# Allegro board 1077192-MCU-Link-revPA6_pcb.brd
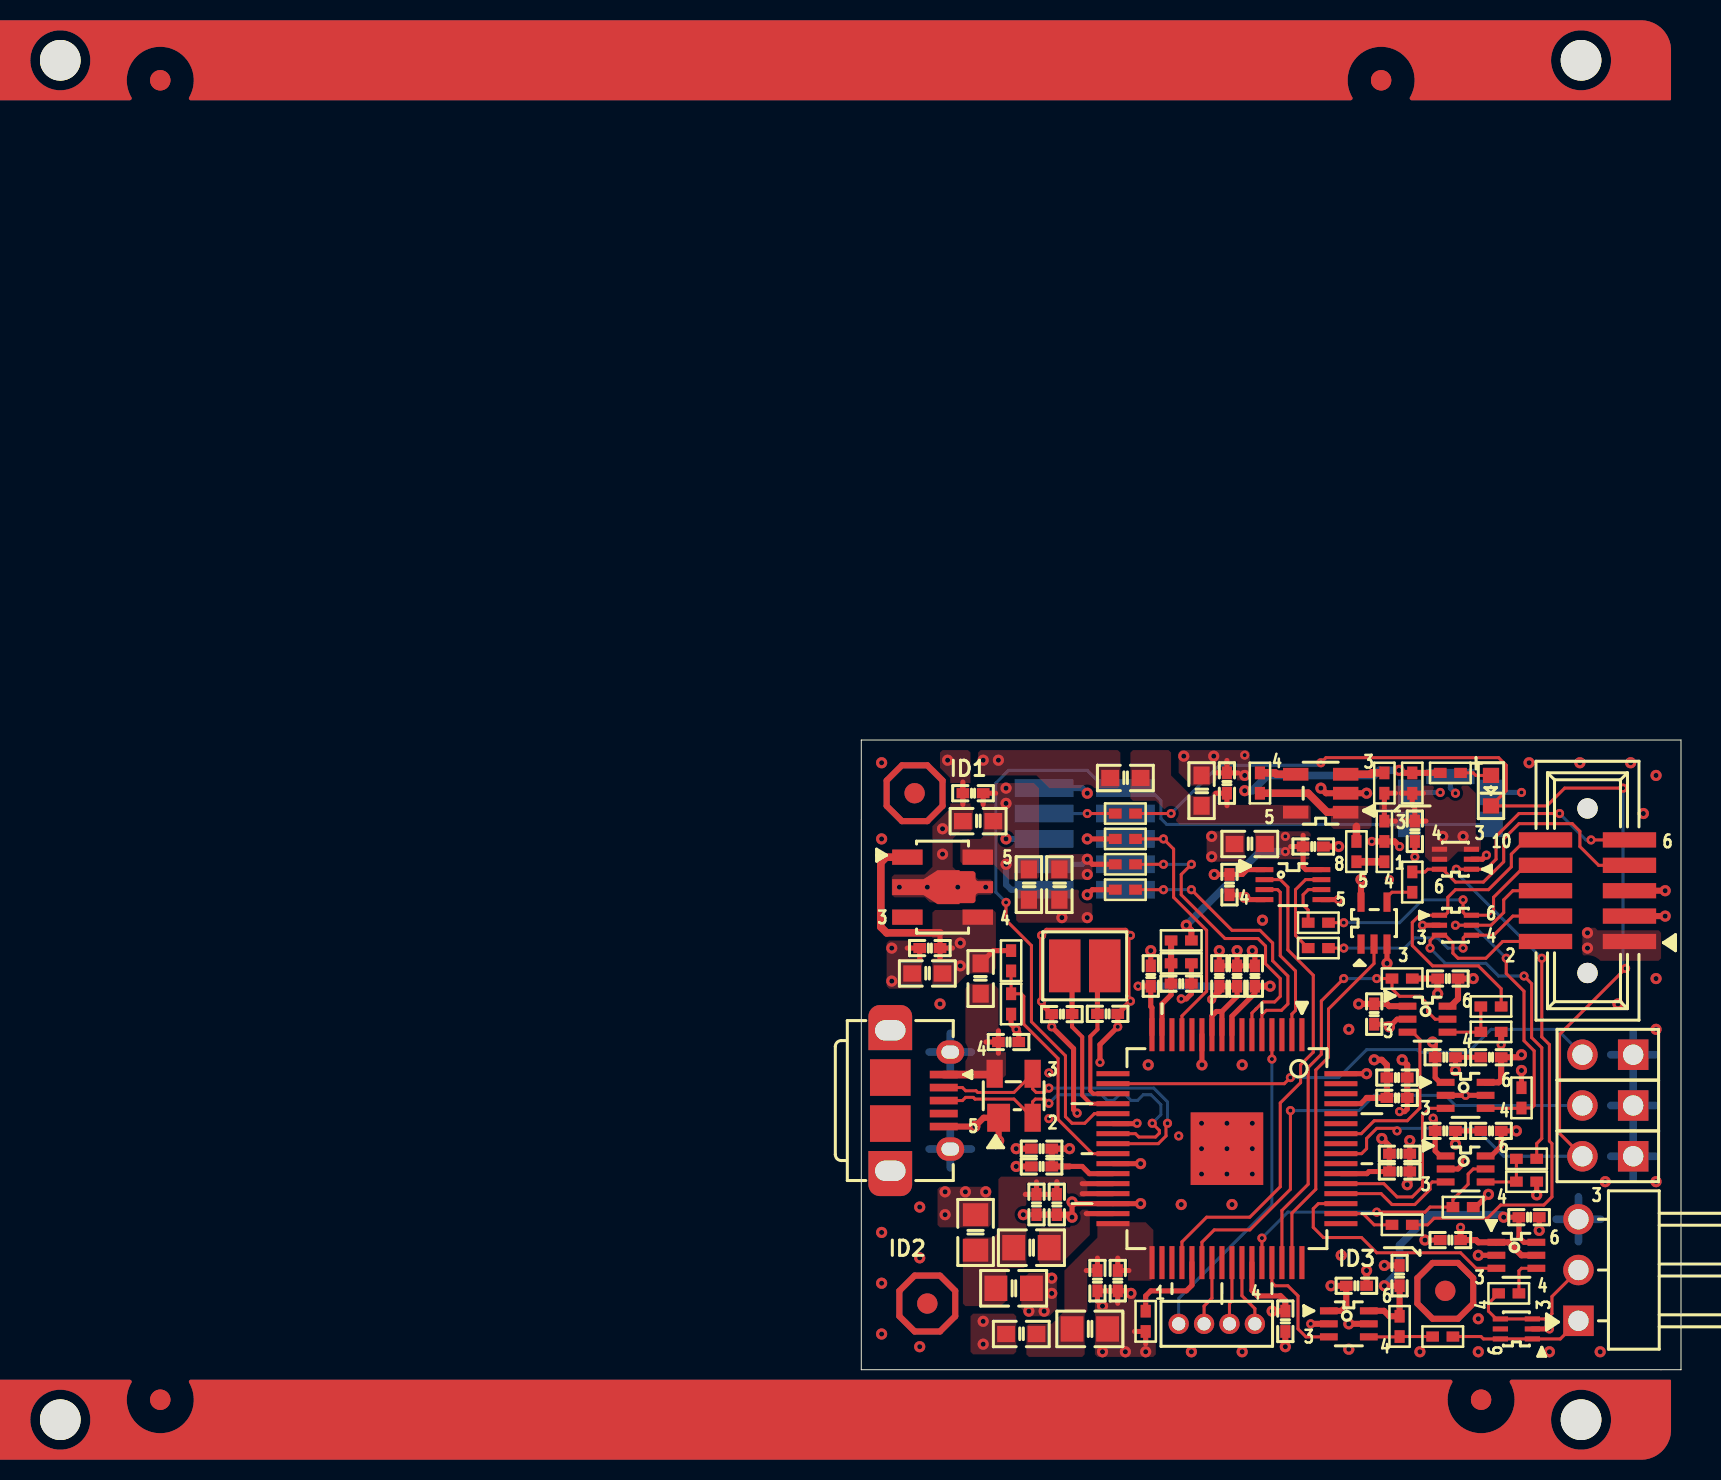
[diagram p0: board, top side]
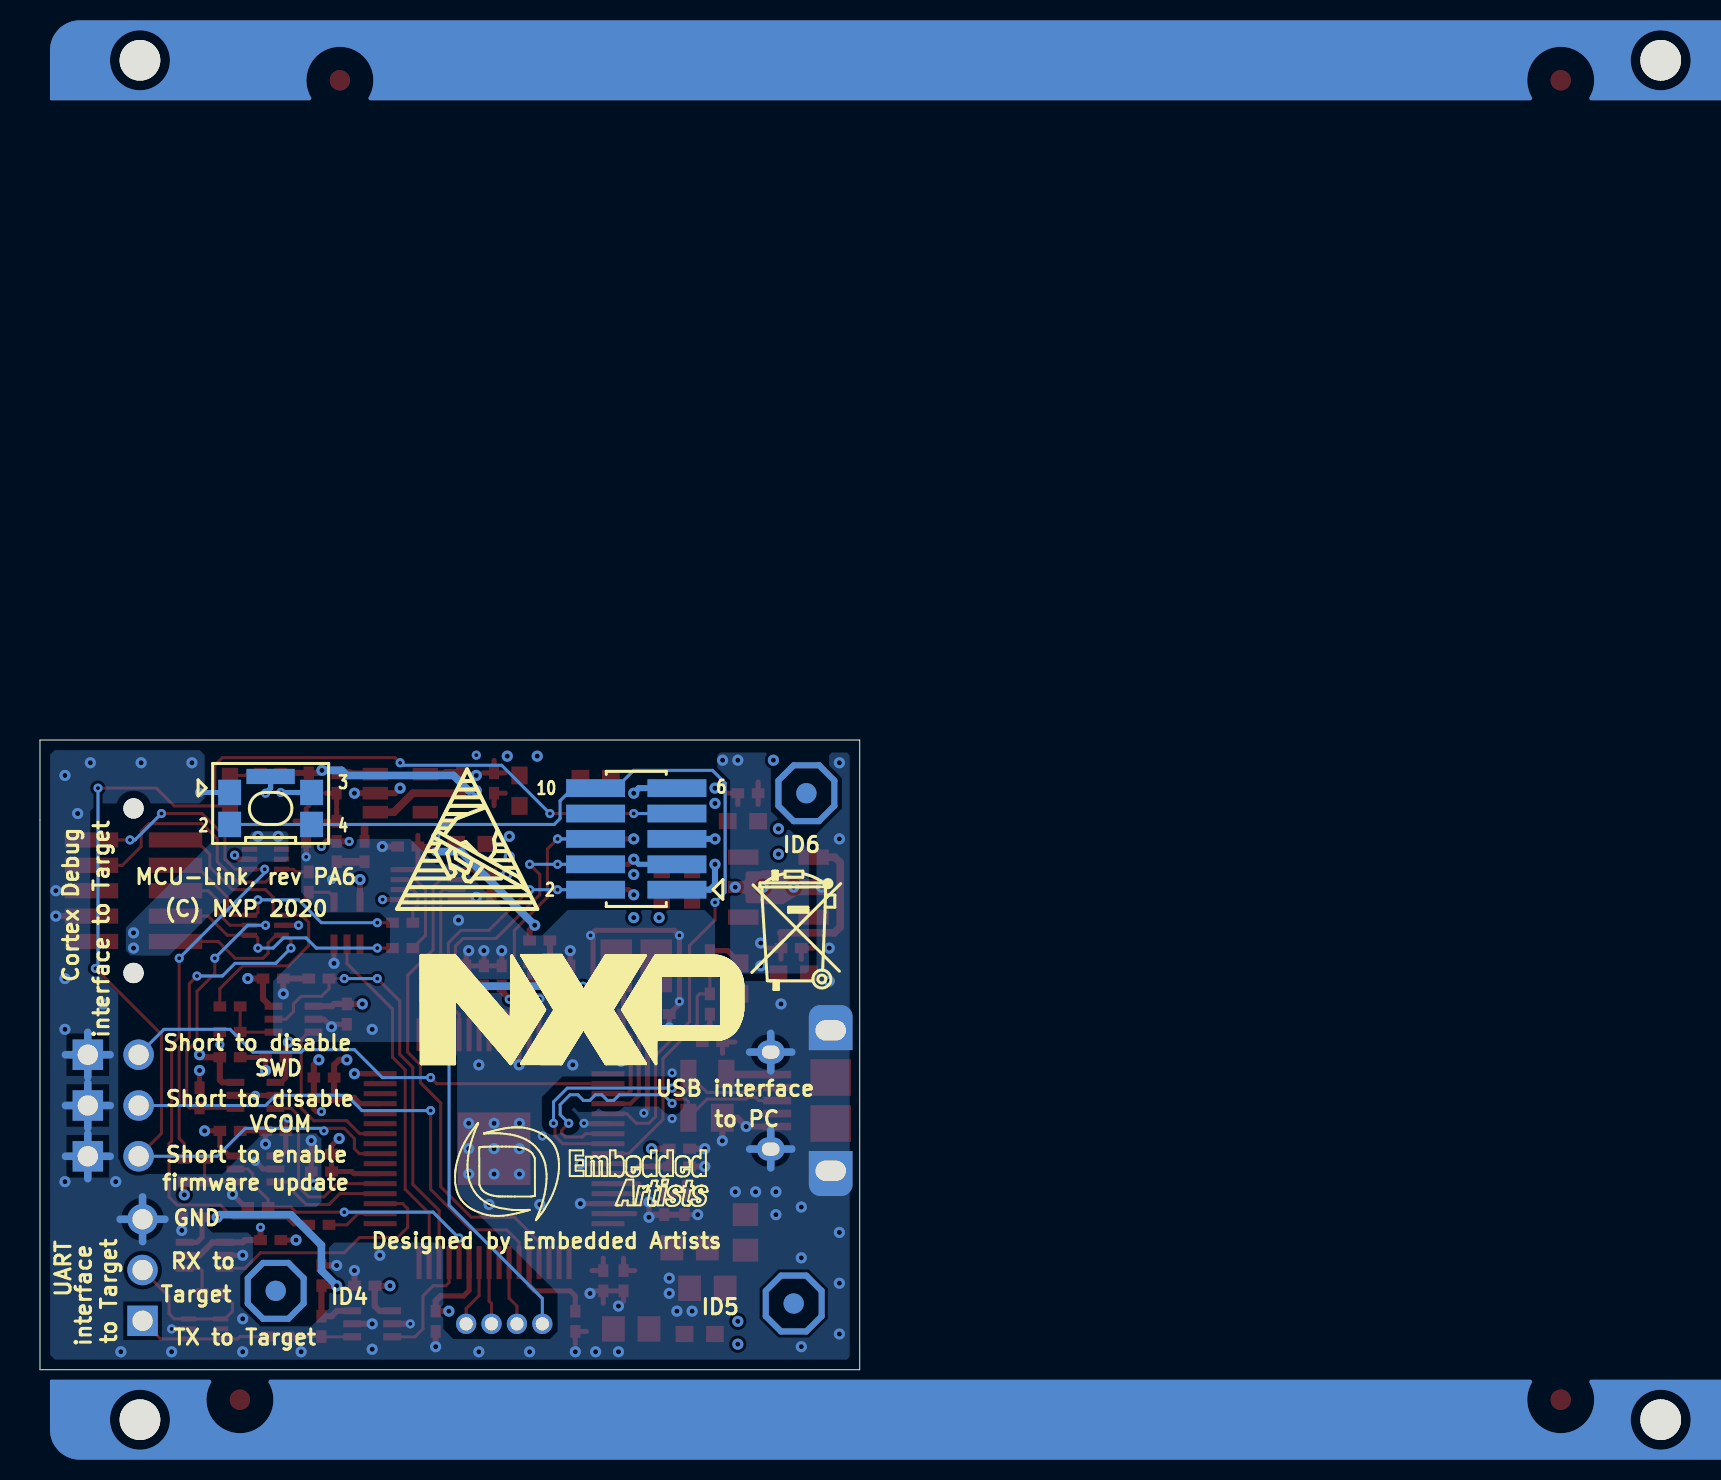
[diagram p1: board, bottom side, seen from below]

Outline 41 x 31.5 mm; copper layers: TOP, GND02, POWER03, BOTTOM. Coordinates in mm from the lower left corner of the outline.
Outline path: 0,31.5 41,31.5 41,0 0,0 0,31.5

## Design rules (mm)
net group DIFFPAIR0: nets USB_DM USB_DP

## Placement (name value [footprint] x y rotation side)
C1  4U7  [C0603]  9.91 24.27 90 top
C2  100N  [C0402]  21.21 2.42 270 top
C3  100N  [C0402]  9.02 10.17 180 top
C4  100N  [C0402]  26.8 13.6 0 top
C5  100N  [C0402]  14.48 19.69 90 top
C6  100N  [C0402]  26.92 9.91 0 top
C7  10N  [C0402]  26.8 14.61 0 top
C8  10N  [C0402]  9.02 11.06 180 top
C9  10N  [C0402]  26.92 10.8 0 top
C10  10N  [C0402]  19.68 19.69 90 top
C11  8P  [C0402]  12.32 17.8 0 top
C12  8P  [C0402]  10.03 17.79 180 top
C13  100N  [C0402]  17.91 19.69 90 top
C14  47P  [C0402]  18.8 19.69 90 top
C15  22U  [C0805]  5.71 6.87 90 top
C16  47P  [C0402]  8.76 8.26 270 top
C17  100N  [C0402]  9.78 8.26 270 top
C18  UL-22U  [C0805]  7.62 4.07 0 top
C19  22U  [C0805]  11.43 2.04 0 top
C20  100N  [C0402]  12.83 4.45 270 top
C21  47P  [C0402]  11.81 4.45 270 top
C22  10U  [C0603]  3.3 19.82 180 top
C23  100N  [C0402]  3.43 21.09 180 top
C24  100N  [C0402]  5.59 28.84 180 top
C25  10U  [C0603]  5.84 27.44 180 top
C26  10N  [C0402]  7.37 16.39 0 top
C27  100N  [C0402]  18.41 24.27 270 top
C28  100N  [C0402]  22.61 26.17 0 top
C29  10U  [C0603]  19.43 26.3 180 top
C30  100N  [C0402]  29.21 11.95 0 top
C31  100N  [C0402]  31.5 11.95 180 top
C32  100N  [C0402]  18.29 29.35 90 top
C33  10U  [C0603]  17.02 28.96 90 top
C34  100N  [C0402]  27.69 26.93 270 top
C35  100N  [C0402]  29.21 15.63 0 top
C36  100N  [C0402]  31.5 15.63 180 top
C37  100N  [C0402]  25.65 17.79 270 top
C38  100N  [C0402]  29.34 19.57 180 top
C39  100N  [C0402]  16 19.31 0 top
C40  100N  [C0402]  24.77 4.2 0 top
C41  100N  [C0402]  26.92 4.71 90 top
C42  100N  [C0402]  29.46 6.49 180 top
C43  100N  [C0402]  33.4 7.63 0 top
D1  PRTR5V0U2X  [SOT143]  7.62 13.71 0 top
D2  PESD5V0L5UV  [SOT563]  29.72 22.23 270 top
D3  PESD5V0L5UV  [SOT563]  29.72 25.54 90 top
D4  PESD5V0L5UV  [SOT563]  32.77 2.04 90 top
J1  USB micro-B, ZX62D-B-5P8(30)  [UX60-MB-5ST]  4.12 13.46 270 top
J2  2X5, 50mil  [EHF-105-01-L-D]  11.18 26.55 0 bottom
J3  1x2pos, 100 mil pitch  [1X02]  37.34 10.68 180 top
J4  1x2pos, 100 mil pitch  [1X02]  37.34 13.22 180 top
J5  1x2pos, 100 mil pitch  [1X02]  37.34 15.76 180 top
J6  2X5, 50mil  [2X05-50MIL]  36.32 23.96 90 top
J7  1x3pos, 100 mil pitch  [MA03-1]  39.37 4.99 90 top
J8  -  [MA04-1]  17.78 2.29 0 top
L1  MI0603J601R-10  [C0603]  8.38 24.27 90 top
L2  4U7  [C0805]  8.51 6.1 0 top
L3  MI0603J601R-10  [C0603]  8 1.79 180 top
L4  MI0603J601R-10  [C0603]  5.97 19.57 270 top
L5  MI0603J601R-10  [C0603]  13.21 29.6 180 top
LED1  RED  [CHIP-LED0603]  31.5 28.96 270 top
NOREF  -  [unnamed]  3.3 3.31 0 top
NOREF#2  -  [#2]  39 -5 90 top
NOREF#3  -  [#2]  13.34 -34.79 0 top
NOREF#4  -  [#2]  41 31.5 0 top
NOREF#5  -  [unnamed]  29.21 3.95 0 top
NOREF#6  -  [#2]  41 0 0 top
NOREF#7  -  [#2]  158.27 151.39 0 top
NOREF#8  -  [#2]  -45.06 66 0 top
NOREF#9  -  [unnamed#3]  -45.06 63 0 top
NOREF#10  -  [#2]  181.1 87.89 0 top
NOREF#11  -  [unnamed#4]  41 0 0 top
NOREF#12  -  [#2]  181.1 20.58 0 top
NOREF#13  -  [#2]  165.86 18.3 0 top
NOREF#14  -  [#2]  0 31.5 0 top
NOREF#15  -  [unnamed#5]  41 63 0 top
NOREF#16  -  [unnamed]  2.67 28.84 0 top
NOREF#17  -  [#2]  41 63 0 top
NOREF#18  -  [#2]  41 0 90 top
NOREF#19  -  [#2]  -119.89 -70.86 0 top
NOREF#20  -  [unnamed#6]  -45.06 0 0 top
NOREF#21  -  [unnamed]  2.67 28.84 180 bottom
NOREF#22  -  [#2]  0.64 22.09 180 bottom
NOREF#23  -  [unnamed]  3.3 3.31 180 bottom
NOREF#24  -  [#2]  20.32 26.04 180 bottom
NOREF#25  -  [unnamed]  29.21 3.95 180 bottom
R1  10K  [R0402]  7.49 20.46 270 top
R2  20K  [R0402]  7.49 18.3 90 top
R3  0R  [R0402]  14.22 2.42 270 top
R4  100K  [R0402]  13.21 26.55 180 top
R5  100K  [R0402]  13.21 24.01 180 top
R6  100K  [R0402]  13.21 25.28 0 top
R7  0R  [R0402]  13.21 27.82 180 top
R8  2K  [R0402]  29.46 29.85 180 top
R9  10R  [R0402]  22.86 21.09 0 top
R10  10R  [R0402]  22.86 22.36 0 top
R11  10R  [R0402]  33.27 10.55 0 top
R12  100K  [R0402]  33.27 9.41 180 top
R13  2K  [R0402]  30.1 8.14 180 top
R14  100K  [R0402]  33.02 13.6 270 top
R15  100R  [R0402]  26.16 29.35 270 top
R16  33K  [R0402]  27.56 29.35 90 top
R17  10R  [R0402]  24.77 25.92 90 top
R18  100R  [R0402]  19.94 29.35 270 top
R19  10R  [R0402]  31.5 18.17 0 top
R20  100K  [R0402]  31.5 16.9 180 top
R21  2K  [R0402]  27.05 19.57 180 top
R22  2K  [R0402]  16 21.47 0 top
R23  2K  [R0402]  16 20.33 180 top
R24  2K  [R0402]  27.05 7.25 0 top
R25  10R  [R0402]  27.56 24.39 90 top
R26  10R  [R0402]  29.08 1.66 0 top
R27  10R  [R0402]  32.38 3.82 180 top
R28  100K  [R0402]  26.92 2.17 90 top
SJ1  0R  [SJ_2]  26.16 26.42 90 top
SW1  -  [KMR221GLFS]  29.46 28.08 0 bottom
U1  LPC55S69JBD64  [LQFP64-PAD_NOTOK]  18.29 11.06 180 top
U2  XC6227C331PR-G  [SOT89-5]  4.06 24.14 270 top
U3  74LVC2T45DC  [VSSOP08]  21.59 24.27 270 top
U4  74LVC1T45GW  [SOT363_PHILIPS]  30.23 10.04 270 top
U5  74LVC1T45GW  [SOT363_PHILIPS]  30.23 13.72 270 top
U6  MCP6001T-I/OT  [SOT23-5]  22.98 28.84 90 top
U7  74LVC1T45GW  [SOT363_PHILIPS]  28.32 17.53 270 top
U8  74LVC1G07GW  [SC70-5]  25.64 22.34 0 top
U9  74LVC1T45GW  [SOT363_PHILIPS]  24.38 2.29 270 top
U10  74LVC1T45GW  [SOT363_PHILIPS]  32.77 5.72 270 top
Y1  16.000MHz  [7M-CRYSTAL]  11.18 20.2 180 top

## Library data of the parts
C1 C22 C25 C29 C33 L1 L3-L5 = C0603
C2-C14 C16 C17 C20 C21 C23 C24 C26-C28 C30-C32 C34-C43 = C0402
C15 C18 C19 L2 = C0805
D1 = SOT143
D2-D4 = SOT563
J1 = UX60-MB-5ST
J2 = EHF-105-01-L-D
J3-J5 = 1X02
J6 = 2X05-50MIL
J7 = MA03-1
J8 = MA04-1
LED1 = CHIP-LED0603
R1-R28 = R0402
SJ1 = SJ_2
SW1 = KMR221GLFS
U1 = LQFP64-PAD_NOTOK
U2 = SOT89-5
U3 = VSSOP08
U4 U5 U7 U9 U10 = SOT363_PHILIPS
U6 = SOT23-5
U8 = SC70-5
Y1 = 7M-CRYSTAL

## Footprints (pads in the part's own frame, mm; a bottom-side part is the same pattern mirrored in y, then rotated)
1X02
  rect 1.524x1.524 hole 1.016: 1(-1.27,0)
  round 1.524 hole 1.016: 2(1.27,0)
2X05-50MIL
  round 1.016 hole 1.016 unplated: (-4.115,0) (4.115,0)
  rect 0.762x2.667 smd: 1(-2.54,-2.1) 2(-2.54,2.1) 3(-1.27,-2.1) 4(-1.27,2.1) 5(0,-2.1) 6(0,2.1) 7(1.27,-2.1) 8(1.27,2.1) 9(2.54,-2.1) 10(2.54,2.1)
7M-CRYSTAL
  rect 1.575x2.642 smd: 1(-1,0) 3(1,0)
C0402
  rect 0.635x0.508 smd: 1(-0.508,0) 2(0.508,0)
C0603
  rect 0.889x0.813 smd: 1(-0.762,0) 2(0.762,0)
C0805
  rect 1.143x1.27 smd: 1(-0.889,0) 2(0.889,0)
CHIP-LED0603
  rect 0.762x0.813 smd: A(-0.762,0) C(0.762,0)
EHF-105-01-L-D
  rect 2.946x0.889 smd: 1(-2.035,2.54) 2(2.035,2.54) 3(-2.035,1.27) 4(2.035,1.27) 5(-2.035,0) 6(2.035,0) 7(-2.035,-1.27) 8(2.035,-1.27) 9(-2.035,-2.54) 10(2.035,-2.54)
KMR221GLFS
  rect 1.143x1.27 smd: 1(2.05,-0.8) 2(2.05,0.8) 3(-2.05,-0.8) 4(-2.05,0.8)
  rect 2.413x0.762 smd: 5(0,-1.6)
LQFP64-PAD_NOTOK
  rect 0.254x1.651 smd: 1(-3.75,-5.7) 2(-3.25,-5.7) 3(-2.75,-5.7) 4(-2.25,-5.7) 5(-1.75,-5.7) 6(-1.25,-5.7) 7(-0.75,-5.7) 8(-0.25,-5.7) 9(0.25,-5.7) 10(0.75,-5.7) 11(1.25,-5.7) 12(1.75,-5.7) 13(2.25,-5.7) 14(2.75,-5.7) 15(3.25,-5.7) 16(3.75,-5.7) 33(3.75,5.7) 34(3.25,5.7) 35(2.75,5.7) 36(2.25,5.7) 37(1.75,5.7) 38(1.25,5.7) 39(0.75,5.7) 40(0.25,5.7) 41(-0.25,5.7) 42(-0.75,5.7) 43(-1.25,5.7) 44(-1.75,5.7) 45(-2.25,5.7) 46(-2.75,5.7) 47(-3.25,5.7) 48(-3.75,5.7)
  rect 1.651x0.254 smd: 17(5.7,-3.75) 18(5.7,-3.25) 19(5.7,-2.75) 20(5.7,-2.25) 21(5.7,-1.75) 22(5.7,-1.25) 23(5.7,-0.75) 24(5.7,-0.25) 25(5.7,0.25) 26(5.7,0.75) 27(5.7,1.25) 28(5.7,1.75) 29(5.7,2.25) 30(5.7,2.75) 31(5.7,3.25) 32(5.7,3.75) 49(-5.7,3.75) 50(-5.7,3.25) 51(-5.7,2.75) 52(-5.7,2.25) 53(-5.7,1.75) 54(-5.7,1.25) 55(-5.7,0.75) 56(-5.7,0.25) 57(-5.7,-0.25) 58(-5.7,-0.75) 59(-5.7,-1.25) 60(-5.7,-1.75) 61(-5.7,-2.25) 62(-5.7,-2.75) 63(-5.7,-3.25) 64(-5.7,-3.75)
  rect 3.632x3.632 smd: 65(0,0)
MA03-1
  rect 1.524x1.524 hole 1.016: 1(-2.54,3.5)
  round 1.524 hole 1.016: 2(0,3.5) 3(2.54,3.5)
MA04-1
  round 1.016 hole 0.66: 1(-1.905,0) 2(-0.635,0) 3(0.635,0) 4(1.905,0)
R0402
  rect 0.635x0.508 smd: 1(-0.508,0) 2(0.508,0)
SC70-5
  rect 0.356x0.965 smd: 1(-0.65,-1.05) 2(0,-1.05) 3(0.65,-1.05) 4(0.65,1.05) 5(-0.65,1.05)
SJ_2
  rect 0.635x0.508 smd: 1(-1.016,0) 2(0,0) 3(1.016,0)
SOT23-5
  rect 0.635x1.27 smd: 1(-0.95,-1.25) 2(0,-1.25) 3(0.95,-1.25) 4(0.95,1.25) 5(-0.95,1.25)
SOT89-5
  rect 0.762x1.524 smd: 1(-1.5,-1.76) 3(1.5,-1.76) 4(1.5,1.76) 5(-1.5,1.76)
  custom 1.7x5.044 smd: 2(0,0)
SOT143
  rect 1.143x1.397 smd: 1(-0.75,-1.1)
  rect 0.813x1.397 smd: 2(0.95,-1.1) 3(0.95,1.1) 4(-0.95,1.1)
SOT363_PHILIPS
  rect 0.356x0.889 smd: 1(-0.65,-1) 2(0,-1) 3(0.65,-1) 4(0.65,1) 5(0,1) 6(-0.65,1)
SOT563
  rect 0.254x0.762 smd: 1(-0.5,-0.8) 2(0,-0.8) 3(0.5,-0.8) 4(0.5,0.8) 5(0,0.8) 6(-0.5,0.8)
unnamed
  round 1.016 smd: 1(0,0)
unnamed#3
  round 2.032 hole 2.032 unplated: (5,2.5)
  round 1.016 smd: (10,1.5) (10,1.5)
unnamed#4
  round 1.016 smd: (-10,-1.5) (-10,-1.5)
  round 2.032 hole 2.032 unplated: (-5,-2.5)
unnamed#5
  round 1.016 smd: (-15,1.5) (-15,1.5)
  round 2.032 hole 2.032 unplated: (-5,2.5)
unnamed#6
  round 2.032 hole 2.032 unplated: (5,-2.5)
  round 1.016 smd: (10,-1.5) (10,-1.5)
UX60-MB-5ST
  rect 0.381x1.397 smd: 1(-1.3,0) 2(-0.65,0) 3(0,0) 4(0.65,0) 5(1.3,0)
  rect 1.829x2.032 smd: 10(-1.15,-2.675) 11(1.15,-2.675)
  oval 1.168x1.397 hole 0.66x0.889: M1(-2.425,0.325) M2(2.425,0.325)
  oval 1.524x2.032 hole 1.016x1.524: M3(-3.513,-2.675) M4(3.513,-2.675)
VSSOP08
  rect 0.254x0.889 smd: 1(-0.75,-1.425) 2(-0.25,-1.425) 3(0.25,-1.425) 4(0.75,-1.425) 5(0.75,1.425) 6(0.25,1.425) 7(-0.25,1.425) 8(-0.75,1.425)

## Nets
3V3: C13.1 C14.1 C24.1 C25.1 C27.1 C30.1 C35.1 C37.1 C40.1 C42.1 J2.1 L1.2 L3.2 R4.2 R5.2 R8.2 R16.2 U1.9 U1.10 U2.5 U3.1 U3.5 U4.1 U5.1 U7.1 U9.1 U10.1 U10.5
5V: C22.1 C23.1 L4.1 L5.2 R1.1 U2.1 U2.4
GND: C1.2 C2.2 C3.2 C4.2 C5.2 C6.2 C7.2 C8.2 C9.2 C10.2 C11.2 C12.2 C13.2 C14.2 C15.2 C16.2 C17.2 C18.2 C19.2 C20.2 C21.2 C22.2 C23.2 C24.2 C25.2 C26.2 C27.2 C28.2 C29.2 C30.2 C31.2 C32.2 C33.2 C34.2 C35.2 C36.2 C37.2 C38.2 C39.2 C40.2 C41.2 C42.2 C43.2 D1.1 D2.2 D3.2 D4.2 J1.5 J1.M1 J1.M2 J1.M3 J1.M4 J2.3 J2.5 J2.9 J3.1 J4.1 J5.1 J6.3 J6.5 J7.3 R2.1 R3.2 R6.1 R13.1 R21.1 R23.1 SW1.1 SW1.3 SW1.5 U1.11 U1.22 U1.26 U1.30 U1.64 U1.65 U2.2 U3.4 U4.2 U5.2 U5.5 U6.2 U7.2 U8.3 U9.2 U9.5 U10.2
DBGIF_DETECT: R24.1 U1.50
DBGIF_ISP_CTRL: U1.47 U8.2
DBGIF_RESET: U1.58 U7.3
DBGIF_RESET_TXEN: R21.2 U1.46 U7.5
DBGIF_TCK_SWCLK: U1.36 U3.2
DBGIF_TDI: U1.2 U3.3
DBGIF_TDO_SWO: U1.53 U5.3
DBGIF_TMS_SWDIO: U1.52 U4.3
DBGIF_TMS_SWDIO_TXEN: R13.2 U1.44 U4.5
DBGIF_VREF: C39.1 R22.1 R23.2 U1.15
FC0_TARGET_RXD: U1.45 U9.3
FC0_TARGET_TXD: U1.51 U10.3
HW_VER_6: J4.2 U1.38
HW_VER_7: J5.2 U1.18
IF_DETECT: D3.1 J6.9 R24.2
IF_ISPEN: D3.6 J6.7 R25.2
IF_RST: D2.1 J6.10 R19.2
IF_SWCLK: D2.4 J6.4 R9.2
IF_SWDIO: D2.3 J6.2 R11.2
IF_SWO: D2.5 J6.6 R14.2 U5.4
IF_TDI: D2.6 J6.8 R10.2
IF_VREF: C28.1 C29.1 C31.1 C36.1 C38.1 C41.1 C43.1 R12.1 R14.1 R20.1 R22.2 R28.2 SJ1.2 U3.8 U4.6 U5.6 U7.6 U8.5 U9.6 U10.6
LPC_RST: J2.10 SW1.2 SW1.4 U1.21
MCU_VDDIO: C1.1 C2.1 C3.1 C4.1 C5.1 C6.1 C7.1 C8.1 C9.1 C10.1 L1.1 U1.8 U1.16 U1.27 U1.43 U1.54 U1.61
N$1: J8.1 U1.4
N$2: J8.2 U1.39
N$3: R25.1 U8.4
N$4: D4.1 D4.6 J7.1 R26.2
N$5: C15.1 C16.1 C17.1 C18.1 L2.1 U1.28 U1.29
N$6: D4.3 D4.4 J7.2 R27.2
N$7: R26.1 R28.1 U9.4
N$8: J8.3 U1.41
N$9: R27.1 U10.4
N$10: J8.4 U1.42
N$12: J2.7 R7.2
N$23: R3.1 U1.37
N$25: L2.2 U1.31
N$26: R15.1 U6.3
N$27: R17.2 R18.2 U6.1
N$29: C11.1 U1.19 Y1.1
N$31: LED1.A R8.1
N$32: C12.1 U1.20 Y1.3
N$34: C19.1 C20.1 C21.1 L3.1 U1.32 U1.33
N$40: R1.2 R2.2 U1.25
N$43: R18.1 U6.4
N$46: R17.1 SJ1.1
N$51: C32.1 C33.1 L5.1 U6.5
N$54: R9.1 U3.7
N$55: R10.1 U3.6
N$56: R11.1 R12.2 U4.4
N$57: R19.1 R20.2 U7.4
PIO0_5-ISP_EN-LED1_CTRL: J3.2 LED1.C R7.1 U1.56
PIO0_10-SWO: J2.6 R4.1 U1.13
PIO0_11-SWDCLK: J2.4 R6.2 U1.6
PIO0_12-SWDIO: J2.2 R5.1 U1.5
USB_DM: D1.3 J1.2 U1.24
USB_DP: D1.2 J1.3 U1.23
USB_VBUS: C26.1 D1.4 J1.1 L4.2
VTARGET: C34.1 D3.3 D3.4 D3.5 J6.1 R15.2 R16.1 SJ1.3

Pads without a net: D4 5; J1 4 10 11; J2 8; NOREF 1; NOREF#5 1; NOREF#16 1; NOREF#21 1; NOREF#23 1; NOREF#25 1; U1 1 3 7 12 14 17 34 35 40 48 49 55 57 59 60 62 63; U2 3; U8 1

## Via types
v1: diameter 0.457, hole 0.203, TOP to BOTTOM, 72 vias
v2: diameter 0.559, hole 0.254, TOP to BOTTOM, 148 vias

## Routing (per net, layer and track width the routed paths; a pad name or vN(x,y) marks a point on that pad's centre or on a via; arc(x,y) is an arc through that point)
3V3: length 41.5
  TOP w0.254: v2(11.3,23.76) 11.56,24.01 R5.2 ; 18.04,17.92 U1.9 ; 18.04,17.92 17.76,17.92 17.54,17.7 U1.10 ; 18.04,17.92 18.8,18.68 C14.1 ; v1(28.6,12.58) 28.7,12.48 C30.1 28.7,10.95 28.96,10.69 U4.1 ; 6.1,28.28 C24.1 6.72,28.84 ; R4.2 v2(11.3,26.55) ; U5.1 28.94,14.38 28.7,14.61 C35.1 28.7,16.26 v2(28.57,16.39) ; U3.1 19.3,25.02 19.06,24.77 C27.1 v2(17.65,24.77) ; U3.5 v1(23.86,23.52)
  TOP w0.305: v2(23.5,4.2) C40.1 24.26,3.18 24.02,2.95 U9.1 ; U7.1 26.4,18.19 26.29,18.3 C37.1 v2(24.88,18.3) ; C14.1 C13.1 17.91,18.93 17.53,18.55 v1(17.53,18.53) ; U10.5 33.02,5.72 32.37,6.37 U10.1 30.86,6.37 30.75,6.49 C42.1 v1(29.97,7.12) ; R8.2 R16.2 27.03,29.85 v2(26.9,29.98)
  BOTTOM w0.305: v2(7.24,25.28) 7.24,24.27 7.49,24.01 J2.1
  BOTTOM w0.381: v2(26.9,29.98) 25.91,29.98 25.65,29.73 20.32,29.73 19.56,28.96 v2(19.18,28.96)
  vias: v2(6.1,2.42) v2(6.1,1.28) v2(7.24,29.09) v2(7.24,28.33)
5V: length 11.3
  TOP w0.254: R1.1 6.6,20.96 L4.1 ; C23.1 3.94,21.65 ; C23.1 4.56,21.09 ; C23.1 3.94,20.53
  TOP w0.381: 3.94,21.85 1.27,21.85 0.98,22.15 0.98,25.37 1.25,25.64 U2.1
  vias: v2(4.95,21.34) v2(4.95,20.2) v2(6.1,30.49) v2(6.86,30.49)
GND: length 156.4
  TOP w0.254: v2(31.37,8.77) 30.73,8.14 R13.1 ; C14.2 C10.2 19.68,20.89 19.61,20.96 v2(19.56,20.96) ; C14.2 v2(18.8,20.96) ; C14.2 C13.2 v2(17.91,20.96) ; C32.2 18.29,30.48 ; C32.2 17.73,29.85 ; C32.2 18.85,29.85 ; C42.2 v2(28.19,6.49) ; v1(11.94,15.38) 11.94,16.26 v1(12.83,17.15) C11.2 v1(13.46,18.44) 13.34,18.56 13.34,21.6 v1(13.46,21.73) 13.21,21.98 9.27,21.98 v1(9.02,21.73) v1(9.02,18.42) 9.02,18.3 C12.2 v1(9.53,17.15) 10.62,16.06 10.62,13.01 v1(10.79,12.84) ; U1.11 v2(17.04,15.25) ; v1(26.92,12.91) 27.18,12.91 27.3,13.04 C4.2 ; v1(16,18.55) 16.26,18.55 16.51,18.8 C39.2 R23.1 ; 5.08,28.28 C24.2 5.08,29.4 ; 13.67,1.91 R3.2 14.22,1.29 ; 12.83,3.32 C20.2 ; C20.2 13.39,3.95 ; C20.2 C21.2 11.81,3.44 v2(12.06,3.18) ; U4.2 29.84,10.04 v1(30.23,10.42) ; U8.3 v2(26.29,20.33) ; v2(10.54,7.63) v2(10.54,8.39) 10.62,8.31 U1.30 v2(13.97,8.31) ; R2.1 7.49,17.28 v1(7.75,17.03) 7.87,16.9 C26.2 ; D3.2 31.06,25.54 v1(31.27,25.74) ; U10.2 v2(30.86,5.72) ; v2(27.43,11.46) C9.2 C6.2 27.43,9.41 27.3,9.28 v2(27.3,9.25) ; C34.2 v1(27.69,25.65) ; v2(29.72,14.97) C35.2 C36.2 ; U5.5 v1(30.23,13.72) U5.2 ; C27.2 19.05,23.76 ; 19.05,23.76 v2(19.18,23.63) ; 19.05,23.76 19.06,23.76 19.3,23.52 U3.4 ; 2.92,20.53 C23.2 2.3,21.09 ; C31.2 C30.2 v2(29.72,11.29) ; D2.2 v1(28.07,22.23) ; v1(13.79,12.33) 13.77,12.31 U1.22 ; 33.91,7.63 v2(33.91,6.97) ; C16.2 v2(8.1,7.76) ; v2(14.48,20.96) C5.2 ; U7.2 26.8,17.53 v2(26.42,17.15) 26.29,17.28 C37.2 ; D4.2 v1(34.42,2.04) ; U1.64 v2(25.27,14.81) ; v2(11.3,25.54) 11.56,25.28 R6.1 ; U1.26 v2(13.97,10.31)
  TOP w0.305: U9.2 v1(22.48,2.29) ; C16.2 C17.2 10.41,7.76 v2(10.54,7.63) ; v2(6.87,11.45) D1.1 6.12,12.6 v2(5.68,12.16) J1.5 ; C3.2 v2(7.75,10.17) ; v2(27.05,15.5) 27.3,15.25 C7.2 C4.2 ; J6.5 v2(40.21,23.96) ; C2.2 v2(21.21,1.15) ; C28.2 v2(23.88,26.17) ; U9.5 v2(24.38,2.29) ; v2(28.83,18.8) C38.2 27.56,19.57 ; J6.3 v2(40.21,22.69) ; v2(25.27,28.84) U6.2 23.24,28.84 v2(22.99,29.09) ; C8.2 v2(7.75,11.06) ; C40.2 v2(25.27,4.96) ; C41.2 v2(26.16,5.22)
  GND02 w0.381: J1.M2 4.45,11.98 ; J1.M2 4.45,10.1 ; J1.M2 5.5,11.04 ; J1.M2 3.4,11.04 ; J3.1 38.61,11.79 ; J3.1 37.49,10.68 ; J3.1 38.61,9.56 ; J3.1 39.73,10.68 ; J1.M1 5.5,15.89 ; J1.M1 4.45,14.95 ; J1.M1 4.45,16.83 ; J1.M1 3.4,15.89 ; J5.1 38.61,16.87 ; J5.1 38.61,14.64 ; J5.1 37.49,15.76 ; J5.1 39.73,15.76 ; 38.61,12.1 J4.1 ; J4.1 39.73,13.22 ; J4.1 37.49,13.22 ; J4.1 38.61,14.33 ; J7.3 36.99,7.53 ; J7.3 35.87,6.41 ; J7.3 35.87,8.65 ; J7.3 34.75,7.53
  BOTTOM w0.254: v2(11.3,25.54) 11.05,25.28 J2.3 ; SW1.3 v1(28.96,28.88) ; SW1.5 29.46,29.09 v1(29.72,28.84) ; SW1.1 v1(33.02,28.88)
  BOTTOM w0.305: J2.5 v2(7.24,26.55) ; v2(11.3,28.84) 11.05,29.09 J2.9
  BOTTOM w0.381: J1.M2 5.5,11.04 ; J1.M2 3.4,11.04 ; J1.M2 4.45,10.1 ; J1.M2 4.45,11.98 ; J3.1 39.73,10.68 ; J3.1 38.61,11.79 ; J3.1 37.49,10.68 ; J3.1 38.61,9.56 ; 35.87,6.41 J7.3 ; J7.3 35.87,8.65 ; J7.3 34.75,7.53 ; J7.3 36.99,7.53 ; J5.1 39.73,15.76 ; J5.1 37.49,15.76 ; J5.1 38.61,16.87 ; J5.1 38.61,14.64 ; J1.M1 5.5,15.89 ; J1.M1 4.45,16.83 ; J1.M1 3.4,15.89 ; J1.M1 4.45,14.95 ; J4.1 39.73,13.22 ; J4.1 38.61,12.1 ; J4.1 37.49,13.22 ; J4.1 38.61,14.33
  vias: v1(9.38,14.85) v1(9.38,12.56) v1(15.88,11.69) v1(19.18,30.74) v1(26.42,24.52) v2(1.02,30.36) v2(1.02,26.55) v2(1.02,6.87) v2(1.02,4.33) v2(1.02,1.79) v2(1.52,21.09) v2(1.52,19.44) v2(1.91,24.14) v2(2.92,8.14) v2(2.92,5.6) v2(2.92,1.15) v2(3.3,24.14) v2(3.94,18.3) v2(4.06,27.06) v2(4.06,25.79) v2(4.19,8.9) v2(4.19,7.76) v2(4.32,30.49) v2(4.83,24.14) v2(5.21,8.9) v2(6.22,24.14) v2(6.22,8.9) v2(8.38,2.93) v2(9.14,2.93) v2(9.53,4.58) v2(9.53,3.82) v2(11.3,24.77) v2(12.06,0.9) v2(13.21,0.9) v2(13.49,3.82) v2(14.22,0.9) v2(14.35,15.25) v2(16,8.26) v2(16.13,30.69) v2(16.51,0.9) v2(17.02,12.33) v2(17.02,11.06) v2(17.02,9.79) v2(17.53,26.68) v2(17.53,25.66) v2(17.63,30.69) v2(18.29,12.33) v2(18.29,11.06) v2(18.29,9.79) v2(18.54,8.26) v2(19.05,15.25) v2(19.05,0.9) v2(19.18,29.73) v2(19.56,12.33) v2(19.56,11.06) v2(19.56,9.79) v2(20.07,22.49) v2(24,5.72) v2(24.38,17.03) v2(24.38,1.02) v2(27.94,0.9) v2(30.86,2.55) v2(30.86,0.9) v2(33.4,30.36) v2(34.42,0.9) v2(35.94,30.36) v2(36.96,0.9) v2(37.21,9.41) v2(37.85,18.3) v2(38.48,30.36) v2(39.12,27.82) v2(39.75,29.73) v2(39.75,19.57) v2(39.75,17.03) v2(39.75,9.41)
DBGIF_DETECT: length 2.8
  TOP w0.152: U1.50 25.09,7.81 25.65,7.25 R24.1
DBGIF_ISP_CTRL: length 17.6
  TOP w0.152: U8.2 25.64,20.32 23.37,18.04 23.37,15.63 22.73,14.99 22.73,9.03 21.54,7.83 U1.47
DBGIF_RESET: length 8.7
  TOP w0.152: U1.58 25.01,11.81 25.65,12.45 27.3,12.45 27.94,13.09 27.94,16.52 27.57,16.88 U7.3
DBGIF_RESET_TXEN: length 22
  TOP w0.152: v1(25.78,19.57) R21.2 26.54,19.06 26.92,18.68 27.94,18.68 28.32,18.3 28.32,17.92 28.7,17.53 U7.5 ; U1.46 21.04,7.97 22.35,9.28 22.35,15.12 23.01,15.78 23.01,18.45 v1(24.13,19.57)
  BOTTOM w0.152: v1(25.78,19.57) v1(24.13,19.57)
DBGIF_TCK_SWCLK: length 24.6
  TOP w0.152: U1.36 16.04,6.4 17.27,7.63 19.43,7.63 20.95,9.15 20.95,13.34 21.97,14.36 21.97,15.25 22.61,15.88 22.61,19.73 21.34,21 21.34,24.14 20.96,24.52 U3.2
DBGIF_TDI: length 8.4
  TOP w0.152: U3.3 20.82,24.02 20.95,23.88 20.95,20.71 21.72,19.95 21.72,17.97 21.54,17.79 U1.2
DBGIF_TDO_SWO: length 9.4
  TOP w0.152: U5.3 28.43,13.07 28.07,12.71 28.07,9.15 27.56,8.64 26.8,8.64 26.13,9.31 U1.53
DBGIF_TMS_SWDIO: length 6.1
  TOP w0.152: U4.3 28.56,9.39 28.45,9.28 28.45,9.03 27.69,8.26 26.54,8.26 26,8.81 U1.52
DBGIF_TMS_SWDIO_TXEN: length 14.4
  TOP w0.152: U1.44 v1(20.04,6.59) ; v1(25.78,7.88) 28.19,7.88 28.45,8.14 R13.2 29.59,8.52 30.35,9.28 30.35,9.79 30.61,10.04 U4.5
  BOTTOM w0.152: v1(20.04,6.59) 21.34,7.88 v1(25.78,7.88)
DBGIF_VREF: length 4.9
  TOP w0.254: C39.1 15.49,18.75 15.04,18.3 U1.15
  TOP w0.305: C39.1 R23.2 R22.1
FC0_TARGET_RXD: length 5.9
  TOP w0.152: U9.3 22.24,1.64 21.84,2.04 21.84,3.69 21.34,4.2 20.7,4.2 20.54,4.36 U1.45
FC0_TARGET_TXD: length 12.4
  TOP w0.152: U1.51 22.86,8.31 22.61,8.05 22.61,7.12 23.11,6.61 25.02,6.61 25.78,5.85 29.97,5.85 30.75,5.07 U10.3
HW_VER_6: length 25.6
  TOP w0.152: v1(21.46,12.96) 21.46,9.03 19.43,6.99 17.65,6.99 17.04,6.38 U1.38
  BOTTOM w0.152: J4.2 29.72,13.22 29.21,13.72 25.65,13.72 24.89,12.96 v1(21.46,12.96)
HW_VER_7: length 25.2
  TOP w0.152: U1.18 21.16,14.31 v1(21.46,14.61)
  BOTTOM w0.152: v1(21.46,14.61) 23.88,14.61 25.27,16.01 27.81,16.01 27.94,15.88 30.35,15.88 31.5,17.03 34.8,17.03 J5.2
IF_DETECT: length 37
  TOP w0.152: v1(34.92,27.82) 32.89,27.82 31.75,26.68 31.75,25.54 31.25,25.04 D3.1 v1(29.76,25.04) ; v1(34.04,20.58) 34.04,16.65 34.42,16.26 34.42,11.44 34.54,11.31 34.54,8.64 34.14,8.24 31.98,8.24 31.32,7.58 28.65,7.58 28.32,7.25 27.56,7.25 ; J6.9 v1(36.5,26.5)
  BOTTOM w0.152: v1(34.92,27.82) 36.25,26.5 v1(36.5,26.5) ; v1(34.04,20.58) 29.76,24.86 v1(29.76,25.04)
IF_ISPEN: length 14.4
  TOP w0.152: R25.2 28.19,24.9 28.33,25.04 D3.6 29.08,25.04 29.72,24.39 31.11,24.39 32.13,25.41 32.13,26.55 32.89,27.31 35.56,27.31 35.94,26.93 35.94,26.17 36.88,25.23 J6.7
IF_RST: length 16.6
  TOP w0.152: J6.10 33.22,26.5 32.51,25.79 32.51,25.15 31.37,24.01 29.72,24.01 29.34,23.63 29.34,22.87 29.2,22.73 D2.1 27.92,22.73 27.56,22.37 27.56,21.22 28.57,20.2 30.86,20.2 32,19.06 R19.2
IF_SWCLK: length 12.2
  TOP w0.152: v1(30.1,21.09) 30.11,21.1 30.11,21.6 30.24,21.73 D2.4 31.63,21.73 32.59,22.69 J6.4 ; R9.2 v1(24.13,21.09)
  BOTTOM w0.152: v1(24.13,21.09) 27.18,21.09 27.69,21.6 28.83,21.6 29.34,21.09 v1(30.1,21.09)
IF_SWDIO: length 22.3
  TOP w0.152: v1(33.15,19.69) 33.53,19.31 33.53,16.62 34.04,16.11 34.04,11.57 33.78,11.31 R11.2 ; v1(28.45,21.09) 28.45,21.47 28.71,21.73 D2.3 29.2,21.73 29.59,21.34 29.59,20.84 29.84,20.58 31.24,20.58 32.08,21.42 J6.2
  BOTTOM w0.152: v1(33.15,19.69) 31.88,19.69 31.24,20.33 29.21,20.33 v1(28.45,21.09)
IF_SWO: length 19.2
  TOP w0.152: v1(29.72,22.23) D2.5 31.5,22.23 32.13,22.87 32.13,23.5 32.59,23.96 J6.6 ; v1(32.26,20.58) 32.26,19.82 33.15,18.93 33.15,16.46 33.66,15.95 33.66,13.22 33.53,13.09 R14.2 33,13.07 U5.4
  BOTTOM w0.152: v1(32.26,20.58) 30.61,22.23 v1(29.72,22.23)
IF_TDI: length 13.4
  TOP w0.152: v1(30.1,23.5) 30.1,22.88 30.24,22.73 D2.6 31.36,22.73 31.62,23 31.62,23.63 33.22,25.23 J6.8 ; R10.2 v1(24.13,22.36)
  BOTTOM w0.152: v1(30.1,23.5) 28.07,23.5 26.92,22.36 v1(24.13,22.36)
IF_VREF: length 38.2
  TOP w0.254: U4.6 31.51,10.69 32,11.18 C31.1 v2(32.77,11.95) ; U3.8 22.24,25.02 22.1,25.15 C28.1 ; C28.1 22.1,26.73 ; C28.1 21.48,26.17 ; v2(32.13,7.63) C43.1 32.89,6.63 33.15,6.37 U10.6 ; R12.1 v2(33.78,8.75) ; R14.1 v2(33.02,14.97)
  TOP w0.305: v1(26.92,26.17) 26.67,26.42 SJ1.2 v1(25.54,26.42) ; U5.6 31.88,14.38 32,14.5 C36.1 32.89,15.63 v2(33.02,15.76) ; v2(26.16,4.2) C41.1 R28.2 26.42,2.68 26.15,2.95 U9.6 ; U7.6 29.48,18.19 29.84,18.55 C38.1 v2(30.61,19.57) ; v2(16.26,22.23) 16.51,21.98 R22.2 ; U8.5 v2(24.99,24.52) ; R20.1 v1(32,16.26)
  BOTTOM w0.381: v2(32.13,7.63) 32,7.76 28.45,7.76 26.92,6.23 26.92,4.96 v2(26.16,4.2) ; v2(16.26,22.23) 19.94,25.92 v1(21.21,25.92)
  vias: v1(21.21,26.68)
LPC_RST: length 47.5
  TOP w0.152: v1(7.24,23.38) 7.24,22.49 8.51,21.22 8.51,17.41 10.21,15.71 10.21,12.66 10.54,12.33 11.18,12.33 11.66,12.81 U1.21
  BOTTOM w0.152: v1(7.24,23.38) 6.73,23.88 6.73,29.35 7.37,29.98 11.3,29.98 12.19,29.09 J2.10 14.35,29.09 14.99,28.46 14.99,27.57 15.28,27.28 SW1.4 SW1.2
MCU_VDDIO: length 31.9
  TOP w0.254: U1.43 19.54,3.97 19.81,3.69 20.95,3.69 ; U1.8 18.54,17.68 19.68,18.83 C10.1 ; U1.27 11.41,9.81 11.05,10.17 10.41,10.17 ; U1.54 25.29,9.81 25.4,9.91 C6.1 C9.1 26.42,11.21 26.06,11.57 v2(26.04,11.57) ; U1.16 14.54,18.11 14.48,18.17 C5.1 v1(13.84,19.19) ; U1.61 24.98,13.31 25.27,13.6
  TOP w0.305: 25.27,13.6 C4.1 C7.1 26.29,15.25 26.04,15.5 v2(25.65,15.5) ; 10.41,10.17 C3.1 C8.1 v2(10.41,11.06) ; v2(20.55,2.93) C2.1 21.21,3.44 20.95,3.69 ; C10.1 v2(20.45,19.19)
  BOTTOM w0.381: v1(13.84,19.19) v2(20.45,19.19)
  vias: v2(10.03,22.61) v2(11.3,22.61)
N$1: length 16.4
  TOP w0.152: U1.4 v1(20.54,15.54)
  BOTTOM w0.152: J8.1 15.88,3.56 20.54,8.23 v1(20.54,15.54)
N$2: length 3.2
  TOP w0.152: U1.39 17.54,3.58 17.14,3.18 J8.2
N$3: length 1.6
  TOP w0.152: U8.4 26.29,23.64 26.54,23.88 R25.1
N$4: length 6.7
  TOP w0.152: 29.59,1.66 31,1.66 31.11,1.54 D4.6 D4.1 34.96,1.54 J7.1
N$5: length 5.9
  TOP w0.254: 9.78,9.41 C17.1 C16.1 ; C16.1 8.76,9.39 ; C16.1 8.2,8.77 ; U1.28 11.05,9.31 ; U1.29 11.05,8.81
N$6: length 7.3
  TOP w0.152: J7.2 34.54,3.66 34.54,2.8 34.28,2.54 D4.3 D4.4 31.76,2.54 31.37,2.93 31.37,3.31 R27.2
N$7: length 3.2
  TOP w0.152: U9.4 26.91,1.64 R28.1 R26.1
N$8: length 3.1
  TOP w0.152: J8.3 18.41,3.31 18.54,3.43 U1.41
N$9: length 2.1
  TOP w0.152: R27.1 32.89,4.95 33.02,5.07 U10.4
N$10: length 3.3
  TOP w0.152: U1.42 19.04,3.7 19.68,3.06 19.68,2.29
N$12: length 3.6
  TOP w0.152: R7.2 v1(11.3,27.82)
  BOTTOM w0.152: J2.7 v1(11.3,27.82)
N$23: length 4.4
  TOP w0.254: R3.1 14.22,3.69 14.48,3.95 16.26,3.95 16.54,4.23 U1.37
N$25: length 1.3
  TOP w0.254: U1.31 11.25,7.81
N$26: length 2
  TOP w0.381: U6.3 25.46,29.79 25.53,29.85 R15.1
N$27: length 5.4
  TOP w0.381: U6.1 23.3,27.89 22.35,28.84 R18.2 ; R17.2 24.77,27.18
N$29: length 7.7
  TOP w0.203: C11.1 11.81,17.03 11.46,16.67 11.46,13.95 11.6,13.81 U1.19
  TOP w0.254: Y1.1 11.81,19.84 C11.1
N$31: length 1.6
  TOP w0.152: R8.1 30.61,29.85 30.73,29.73 LED1.A
N$32: length 8.6
  TOP w0.203: C12.1 10.54,17.15 11.05,16.65 11.05,13.72 11.47,13.31 U1.20
  TOP w0.254: C12.1 10.54,19.84 Y1.3
N$34: length 2.4
  TOP w0.254: 11.81,5.58 C21.1 11.25,4.96 ; 12.83,5.58 C20.1 13.39,4.96
N$40: length 12.2
  TOP w0.152: U1.25 11.55,10.81 9.84,12.52 9.84,15.57 8.13,17.28 8.13,18.68 8,18.8 R2.2 R1.2
N$43: length 1.8
  TOP w0.381: R18.1 20.7,29.85 20.77,29.79 U6.4
N$46: length 1.4
  TOP w0.381: R17.1 SJ1.1
N$51: length 1.2
  TOP w0.254: 18.29,28.22 C32.1 17.73,28.84
N$54: length 4.7
  TOP w0.152: U3.7 22.22,24.52 21.72,24.01 21.72,21.73 R9.1
N$55: length 2.5
  TOP w0.152: R10.1 22.35,23 22.1,23.25 22.1,23.76 22.36,24.02 U3.6
N$56: length 2.7
  TOP w0.152: U4.4 32.75,9.39 R12.2 R11.1
N$57: length 2.9
  TOP w0.152: U7.4 30.97,16.88 R20.2 R19.1
PIO0_5-ISP_EN-LED1_CTRL: length 63.1
  TOP w0.152: v1(38.23,20.07) 34.92,16.77 34.92,11.82 J3.2 ; v1(22.99,30.36) 23.24,30.62 31.88,30.62 32.26,30.23 32.26,28.96 LED1.C 34.29,28.2 35.18,29.09 v1(38.1,29.09) ; U1.56 25.02,10.81 25.27,11.06 25.27,11.57 25.78,12.07 26.67,12.07 v1(26.8,11.95) ; R7.1 v1(15.49,27.82)
  BOTTOM w0.152: v1(38.1,29.09) 38.1,20.2 v1(38.23,20.07) ; v1(26.8,11.95) 26.92,12.07 30.73,12.07 32.13,10.68 J3.2 ; v1(15.49,27.82) 17.91,30.23 22.86,30.23 v1(22.99,30.36)
PIO0_10-SWO: length 14.5
  TOP w0.152: U1.13 16.04,17.7 17.27,18.93 17.27,21.98 15.62,23.63 15.62,26.04 v1(15.11,26.55) R4.1
  BOTTOM w0.152: J2.6 v1(15.11,26.55)
PIO0_11-SWDCLK: length 17.4
  TOP w0.152: v1(16.51,25.28) 16,24.77 16,23.76 18.19,21.57 19.84,21.57 20.22,21.19 20.22,20.3 20.95,19.57 20.95,18.68 20.67,18.4 20.09,18.4 19.54,17.84 U1.6 ; R6.2 v1(15.11,25.28)
  BOTTOM w0.152: J2.4 v1(15.11,25.28) v1(16.51,25.28)
PIO0_12-SWDIO: length 15.8
  TOP w0.152: v1(16.51,24.01) 18.54,21.98 19.94,21.98 20.57,21.34 20.57,20.46 21.34,19.69 21.34,18.3 21.02,17.98 20.26,17.98 20.04,17.76 U1.5 ; R5.1 v1(15.11,24.01)
  BOTTOM w0.152: J2.2 v1(15.11,24.01) v1(16.51,24.01)
USB_DM: length 17.4
  TOP w0.15: J1.2 5.06,14.11 5.22,13.96 5.74,13.96 5.82,13.87 7.64,13.87 D1.3 8.57,14.04 8.74,13.87 9.17,13.87 v1(9.38,14.09) ; v1(15.31,12.33) 15.24,12.25 15.24,11.69 14.85,11.31 U1.24
  BOTTOM w0.15: v1(15.31,12.33) 15.31,13.4 14.62,14.09 v1(9.38,14.09)
USB_DP: length 17.4
  TOP w0.15: v1(9.38,13.32) 9.17,13.54 8.7,13.54 8.57,13.41 D1.2 7.64,13.54 5.68,13.54 5.6,13.62 5.22,13.62 5.06,13.46 J1.3 ; v1(14.55,12.33) 14.91,11.97 14.91,11.83 14.72,11.64 13.88,11.64 13.71,11.81 U1.23
  BOTTOM w0.15: v1(9.38,13.32) 9.81,13.75 12.02,13.75 12.3,13.47 12.62,13.47 12.9,13.75 13.22,13.75 13.5,13.47 13.82,13.47 14.1,13.75 14.49,13.75 14.98,13.26 14.98,12.76 v1(14.55,12.33)
USB_VBUS: length 4.3
  TOP w0.254: 6.24,16.39 C26.1 ; C26.1 6.86,16.95 ; C26.1 6.86,15.83
  TOP w0.381: J1.1 6.63,14.76 D1.4
VTARGET: length 5.8
  TOP w0.254: 26.72,28.84 R15.2 26.16,28.22 ; 27,28.84 R16.1 ; R16.1 27.56,28.22 ; R16.1 28.12,28.84 ; C34.1 27.69,28.06 ; C34.1 27.13,27.44 ; C34.1 28.24,27.44 ; 26.72,27.44 SJ1.3 26.16,28.06
  vias: v2(29.08,26.68) v2(30.1,26.68) v2(36.32,21.85) v2(36.32,21.09)

## Copper pours and planes (outline as drawn; the poured copper is in the pictures)
3V3 on TOP: 7.75,0.9 7.75,2.68 7.62,2.8 5.59,2.8 5.46,2.68 5.46,0.9 5.59,0.77 7.62,0.77
3V3 on TOP: 5.08,25.28 6.6,25.28 7.37,24.52 8.76,24.52 8.89,24.65 8.89,29.09 8.64,29.35 5.97,29.35 5.84,29.22 5.84,28.33 6.1,28.08 6.1,26.68 5.97,26.55 5.08,26.55 4.95,26.42 4.95,25.41
3V3 on POWER03: 1.02,1.02 1.02,30.48 20.45,30.48 20.45,25.56 22.25,23.76 29.1,23.76 29.34,23.53 29.34,17.81 31.37,15.78 31.37,1.02 23.24,1.02 23.24,5.11 26.8,8.67 26.8,15.48 24.24,18.04 16.36,18.04 15.49,18.91 15.49,22.85 14.84,23.5 9.55,23.5 8.64,22.59 8.64,9.81 9.42,9.03 14.12,9.03 14.35,8.79 14.35,1.02
5V on TOP: 12.95,30.87 12.83,31 5.97,31 5.84,30.87 5.84,29.85 5.97,29.73 8.76,29.73 9.4,29.09 12.83,29.09 12.95,29.22
5V on TOP: 4.7,19.19 5.33,19.82 6.48,19.82 6.73,20.07 6.73,22.87 6.6,23 3.68,23 3.56,22.87 3.56,19.31 3.68,19.19
5V on BOTTOM: 6.99,30.87 4.7,30.87 4.45,30.62 4.45,27.95 2.54,26.04 2.54,19.95 2.67,19.82 6.35,19.82 6.48,19.95 6.48,29.47 7.11,30.11 7.11,30.74
GND on TOP: 3.17,20.58 3.17,21.34 3.05,21.47 1.4,21.47 1.27,21.34 1.27,19.19 1.4,19.06 2.92,19.06 3.05,19.19 3.05,20.46
GND on TOP: 8.38,4.83 8,4.45 8,3.06 8.38,2.68 9.4,2.68 9.78,3.06 9.78,4.71 9.65,4.83
GND on TOP: 5.59,27.06 5.59,28.08 5.46,28.2 5.46,30.87 5.33,31 4.06,31 3.94,30.87 3.94,30.11 4.45,29.6 4.45,28.08 3.56,27.19 3.56,25.15 3.17,24.77 1.65,24.77 1.52,24.65 1.52,23.76 1.65,23.63 3.17,23.63 3.43,23.38 5.46,23.38 5.84,23.76 6.48,23.76 6.6,23.88 6.6,24.39 6.48,24.52 5.84,24.52 5.46,24.9 4.83,24.9 4.57,25.15 4.57,26.55 4.95,26.93 5.46,26.93
GND on TOP: 9.4,24.52 11.43,24.52 11.56,24.65 11.56,25.66 11.43,25.79 9.4,25.79 9.27,25.66 9.27,24.65
GND on TOP: 6.35,7.12 6.48,7.25 6.48,9.03 6.35,9.15 3.94,9.15 3.81,9.03 3.81,7.25 3.94,7.12
GND on TOP: 16.51,29.22 17.4,29.22 17.65,29.47 19.3,29.47 19.43,29.6 19.43,30.87 19.3,31 16,31 15.88,30.87 15.88,29.85
GND on TOP: 19.18,25.54 19.18,26.81 19.05,26.93 17.4,26.93 17.27,26.81 17.27,25.54 17.4,25.41 19.05,25.41
GND on TOP: 11.81,4.07 13.59,4.07 13.72,3.95 13.72,2.42 13.84,2.29 14.61,2.29 14.73,2.17 14.73,0.77 14.61,0.64 11.81,0.64 11.68,0.77 11.68,3.95
GND on BOTTOM: outline of 135 points within 0.51,0.51 40.49,30.99
GND on GND02: 0.51,0.51 0.51,30.99 40.49,30.99 40.49,0.51
GND on POWER03: 9.14,11.95 9.14,15.76 14.63,15.76 16,14.38 16,12.45 15.49,11.95
IF_VREF on TOP: 22.48,26.81 22.35,26.93 19.81,26.93 19.68,26.81 19.68,25.66 19.81,25.54 22.35,25.54 22.48,25.66
IF_VREF on POWER03: 31.88,1.02 31.88,15.99 29.84,18.02 29.84,23.74 29.32,24.27 22.46,24.27 20.95,25.77 20.95,30.48 39.98,30.48 39.98,1.02
MCU_VDDIO on TOP: 7.87,24.01 7.75,23.88 7.75,22.49 7.87,22.36 11.43,22.36 11.56,22.49 11.56,23.88 11.43,24.01
MCU_VDDIO on POWER03: 14.86,1.02 14.86,9 14.33,9.53 9.63,9.53 9.14,10.02 9.14,11.44 15.85,11.44 16.51,12.1 16.51,14.59 14.84,16.26 9.14,16.26 9.14,22.38 9.76,23 14.63,23 14.99,22.64 14.99,18.7 16.15,17.53 24.02,17.53 26.29,15.27 26.29,8.88 22.73,5.32 22.73,1.02
N$5 on TOP: 8.38,8.39 10.54,8.39 10.79,8.64 11.18,8.64 11.3,8.77 11.3,9.41 11.05,9.66 6.99,9.66 6.86,9.53 6.86,6.87 6.6,6.61 5.21,6.61 5.08,6.49 5.08,3.31 5.21,3.18 6.99,3.18 7.24,3.44 7.24,4.96 7.37,5.09 8.13,5.09 8.26,5.22 8.26,8.26
N$25 on TOP: 10.41,7.12 9.02,7.12 8.89,6.99 8.89,5.34 9.02,5.22 9.91,5.22 11.43,6.74 11.43,7.88 11.3,8.01 11.05,8.01 10.79,7.76 10.79,7.5
N$27 on TOP: 23.62,28.2 23.5,28.08 23.5,27.18 23.62,27.05 25.4,27.05 25.53,27.18 25.53,28.08 25.4,28.2
N$34 on TOP: 11.3,4.45 14.48,4.45 14.61,4.58 14.61,6.99 14.22,7.37 11.94,7.37 11.81,7.25 11.81,6.61 10.16,4.96 10.16,2.93 9.53,2.29 8.38,2.29 8.26,2.17 8.26,0.77 8.38,0.64 11.05,0.64 11.18,0.77 11.18,2.8 11.3,2.93
N$51 on TOP: 15.37,31 13.59,31 13.46,30.87 13.46,28.58 13.59,28.46 14.73,28.46 15.93,27.26 22.4,27.26 22.48,27.34 22.48,28.15 22.38,28.25 18.75,28.25 18.67,28.33 18.67,29.09 18.54,29.22 17.91,29.22 17.4,28.71 16.51,28.71 15.49,29.73 15.49,30.87
Net_2 on BOTTOM (solid shape): outline of 388 points within -44.56,63.5 40.5,67.5
Net_3 on TOP (solid shape): outline of 388 points within -44.56,63.5 40.5,67.5
Net_4 on TOP (solid shape): outline of 388 points within -44.56,-4.5 40.5,-0.5
Net_5 on BOTTOM (solid shape): outline of 388 points within -44.56,-4.5 40.5,-0.5
USB_VBUS on TOP: 7.24,14.74 7.24,16.77 6.86,17.15 6.86,19.06 6.6,19.31 5.46,19.31 5.21,19.06 5.21,14.87 5.46,14.61 7.11,14.61
VTARGET on TOP: 26.04,27.06 27.81,27.06 28.19,26.68 28.19,25.66 28.45,25.41 29.34,25.41 29.84,25.92 30.86,25.92 30.99,26.04 30.99,26.55 30.73,26.81 30.73,28.84 30.35,29.22 26.04,29.22 25.91,29.09 25.91,27.19
VTARGET on TOP: 36.83,21.98 39.88,21.98 40.01,21.85 40.01,20.58 39.88,20.46 36.2,20.46 36.07,20.58 36.07,21.98 36.2,22.11 36.7,22.11
VTARGET on BOTTOM: 32.44,26.37 36.7,22.11 36.7,20.96 36.45,20.71 34.54,20.71 29.84,25.41 28.7,25.41 28.57,25.54 28.57,26.81 28.7,26.93 30.35,26.93 30.48,26.81 30.48,26.55 30.66,26.37
GND on TOP (solid shape): 1.97,18.24 2.37,18.07 2.54,17.66 2.54,15.99 0.36,15.99 0.36,17.66 0.53,18.07 0.93,18.24
GND on TOP (solid shape): 2.54,9.26 2.37,8.86 1.97,8.69 0.93,8.69 0.53,8.86 0.36,9.26 0.36,10.94 2.54,10.94
GND on BOTTOM (solid shape): 1.97,18.24 2.37,18.07 2.54,17.66 2.54,15.99 0.36,15.99 0.36,17.66 0.53,18.07 0.93,18.24
GND on BOTTOM (solid shape): 2.54,9.26 2.37,8.86 1.97,8.69 0.93,8.69 0.53,8.86 0.36,9.26 0.36,10.94 2.54,10.94

Small or netless copper shapes (teardrops, artwork), in the pictures only: 2 on TOP

## Text on the board
BOTTOM: MCU-LINK-REVPA6 ARTWORK BOTTOM
Package Geometry/Pastemask Bottom: MCU-LINK-REVPA6 PASTEMASK BOTTOM
Ref Des/Silkscreen Bottom: ID6 | to PC | ID5 | USB interface | Designed by Embedded Artists | ID4 | SWD | VCOM | GND | TX to Target | RX to | Short to disable | Short to enable | (C) NXP 2020 | Target | firmware update | MCU-Link, rev PA6 | to Target | interface to Target | interface | Cortex Debug | UART | MCU-LINK-REVPA6 SILKSCREEN BOTTOM
User.Comments: MCU-LINK-REVPA6 SOLDMASK TOP | MCU-LINK-REVPA6 SOLDMASK BOTTOM
TOP: MCU-LINK-REVPA6 ARTWORK TOP
Package Geometry/Pastemask Top: MCU-LINK-REVPA6 PASTEMASK TOP
Ref Des/Silkscreen Top: ID2 | ID1 | ID3 | MCU-LINK-REVPA6 | MCU-LINK-REVPA6 SILKSCREEN TOP
GND02: MCU-LINK-REVPA6 GROUND PLANE02
POWER03: MCU-LINK-REVPA6 POWER PLANE03
DIMENSION: 0464 | MCU-LINK-REVPA6 DRILL CHART | 1--Gerber TOP | 2--GROUND PLANE02 | 3--POWER PLANE03 | 4--Gerber BOTTOM
COMPVAL_TYPE_TOP: F
User.6: FIGURE | SIZE | 8.0 | 10.0 | 26.0 | 40.0 | 80.0 | 35.0x26.0 | 60.0x40.0 | DRILL CHART: TOP to BOTTOM | ALL UNITS ARE IN MILS | PLATED | NON-PLATED | QTY | 72 | 148 | 4 | 9 | 2
